# Altium PCB CPU.PcbDoc (part 2 of 2)
Units mm, origin at the board's own origin, x right, y up, seen from the top; angles counter-clockwise.
Board outline 164.68 x 100.38 mm, 2 copper layers (Top Layer, Bottom Layer); 83 components, 106 nets, 453 pads, 320 vias.
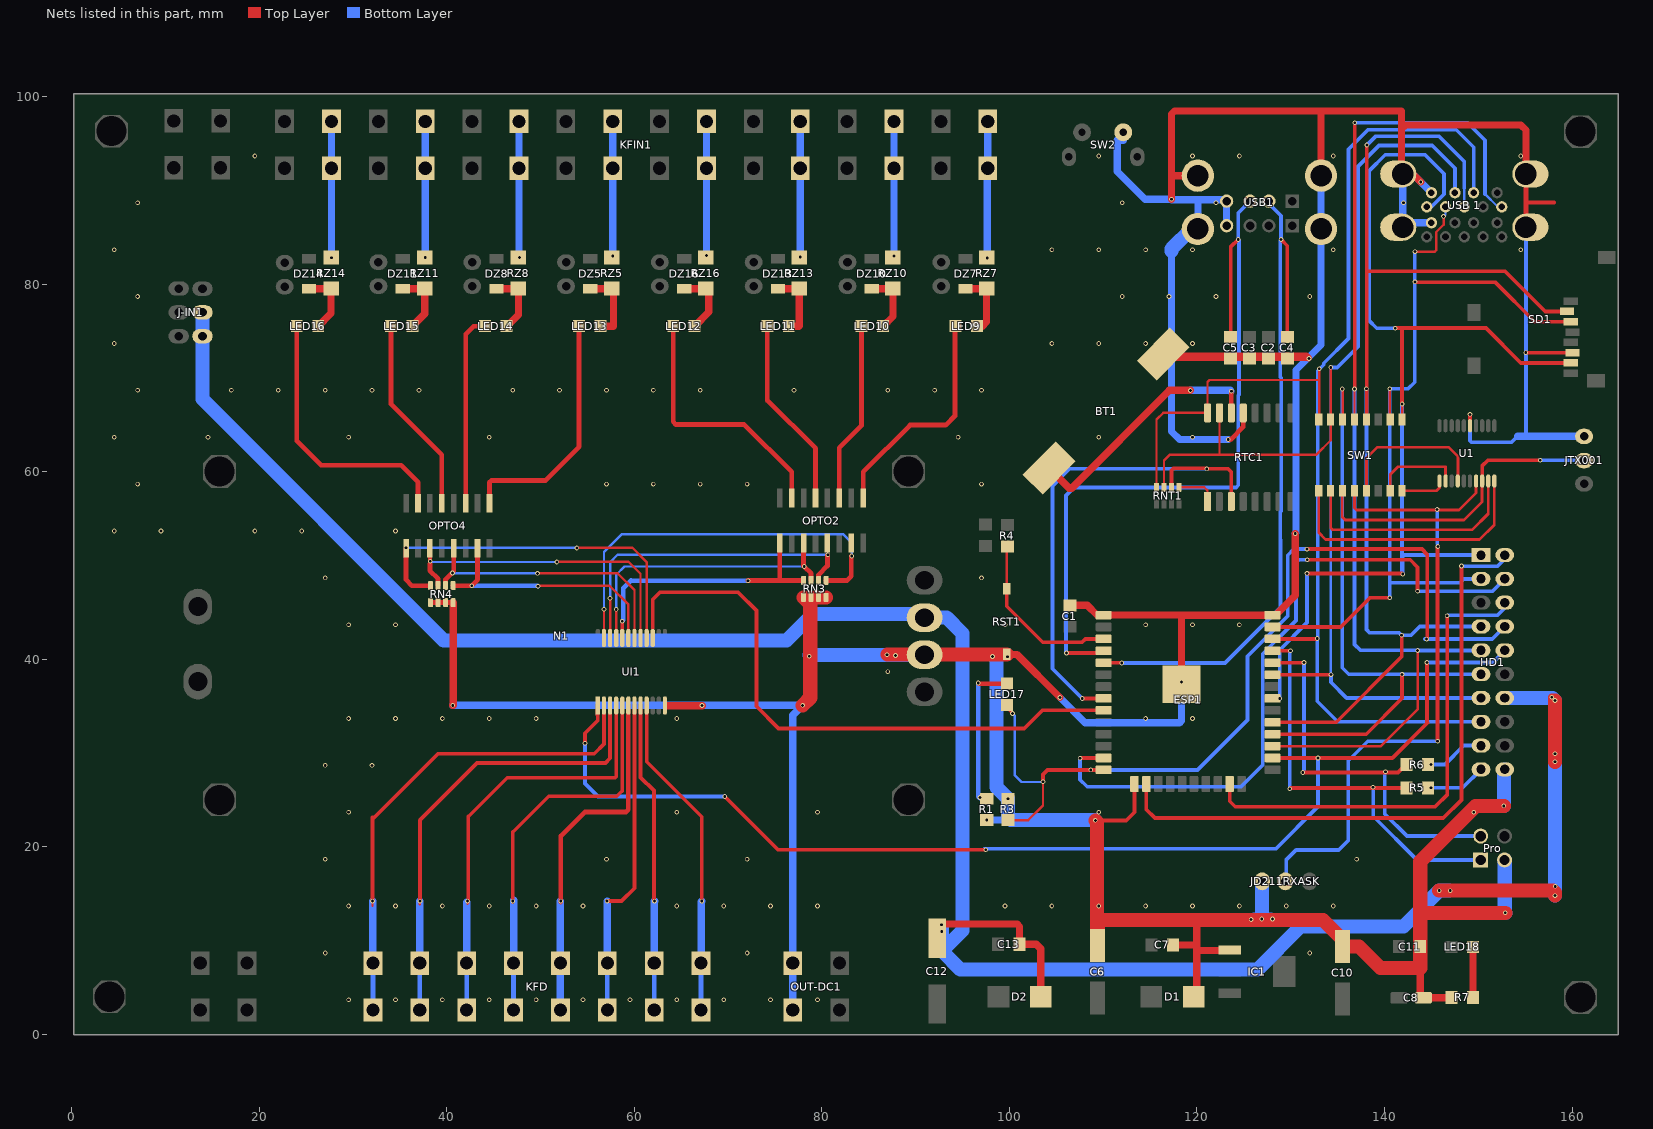
[diagram p2: the nets of this part, all layers, seen from the top]

## Via types
v1: diameter 0.5, hole 0.3, Top Layer to Bottom Layer, 318 vias
v2: diameter 1.27, hole 1.27, Top Layer to Bottom Layer, 2 vias

## Nets (pads, with @x,y where several pads share a name; then routed paths per layer and width w, separated by ;. In a path a pad name is that pad's centre, name@x,y a point inside that pad or via, vN(x,y) a via of type N, cw(c..) or ccw(c..) an arc to the next point about the centre after c; other vN are vias at no path point) (continued)
CS: "USB 1.7" ESP1.29 HD1.4 SD1.2 SW1.4 | length 129.9
  Top Layer w0.254: SW1.4@138.068,65.583 v1(138.068,68.834)
  Top Layer w0.4: ESP1.29@128.06,33.274 134.842,33.274 141.827,40.259 v1(141.827,42.545) ; SW1.4@138.068,65.583 138.119,65.634 138.119,81.432 ; v1(138.119,94.844) 138.119,81.432 ; SD1.2@159.46,77.091 157.141,77.091 152.851,81.382 138.169,81.382 138.119,81.432
  Bottom Layer w0.254: 148.507,88.245 148.507,90.236
  Bottom Layer w0.4: v1(138.068,68.834) 138.068,43.155 138.398,42.824 141.548,42.824 v1(141.827,42.545) 142.818,42.545 143.757,43.485 HD1.4@150.285,43.485 ; v1(138.119,94.844) 139.033,95.758 145.84,95.758 148.507,93.091 148.507,90.236
CS-SW: SW1.13 U1.4 | length 16.8
  Top Layer w0.3: SW1.13@138.068,57.963 138.068,61.443 139.236,62.611 146.831,62.611 147.821,61.62 147.821,59.01 U1.4@147.812,59.001
DS: ESP1.16 HD1.11 | length 67.8
  Top Layer w0.4: ESP1.16@114.598,26.694 114.598,23.978 115.513,23.063 146.272,23.063 148.202,24.994 v1(148.202,49.936)
  Bottom Layer w0.4: v1(148.202,49.936) 148.238,49.901 152.028,49.901 152.825,50.698 HD1.11@152.825,51.105
I2C_SCL: "USB 1.2" ESP1.36 HD1.8 RNT1.4 RTC1.16 SW1.8 | length 136.8
  Top Layer w0.254: RNT1.4@115.684,58.329 115.684,65.551 116.402,66.269 RTC1.16@121.126,66.269 121.126,69.571 121.329,69.774 132.861,69.774 ; v1@132.785,42.164 v1(132.835,42.215) ; SW1.8@132.988,65.583 132.886,65.684 133.039,65.837 v1(133.039,70.968)
  Top Layer w0.4: ESP1.36@128.06,42.164 v1@132.785,42.164
  Bottom Layer w0.4: v1(132.835,42.215) 132.835,35.509 135.02,33.325 HD1.8@150.285,33.325 ; v1@132.886,42.215 132.886,70.762 133.522,71.398 133.522,71.553 136.158,74.189 136.158,94.382 138.246,96.469 147.644,96.469 149.507,94.606 149.507,89.745
I2C_SCL-SW: SW1.9 U1.10 | length 28.8
  Top Layer w0.3: SW1.9@132.988,57.963 132.988,53.492 133.724,52.756 150.133,52.756 151.712,54.335 U1.10@151.712,59.001
I2C_SDA: "USB 1.3" ESP1.33 HD1.7 RNT1.3 RTC1.15 SW1.7 | length 128.7
  Top Layer w0.254: RNT1.3@116.484,58.329 116.484,61.195 117.113,61.824 132.734,61.824 134.258,63.348 SW1.7@134.258,65.583 v1(134.258,71.12) ; 122.396,61.849 RTC1.15@122.396,66.269
  Top Layer w0.4: ESP1.33@128.06,38.354 v1(134.283,38.354)
  Bottom Layer w0.254: 134.258,37.567 v1@134.258,38.354 ; 134.258,38.608 v1(134.258,71.12)
  Bottom Layer w0.4: v1(134.258,71.12) 134.969,71.12 137.179,73.33 137.179,92.532 139.421,94.775 145.096,94.775 147.507,92.364 147.507,89.745 ; v1(134.283,38.354) 134.283,37.592 134.258,37.567 135.96,35.865 HD1.7@150.285,35.865
I2C_SDA-SW: SW1.10 U1.9 | length 25
  Top Layer w0.3: SW1.10@134.258,57.963 134.258,54.026 134.486,53.797 149.345,53.797 151.062,55.513 U1.9@151.062,59.001
I9: DZ7.2 LED9.1 RZ7.2 | length 7
  Top Layer w0.762: DZ7.2@95.32,79.502 97.53,79.502 RZ7.2@97.555,79.527 97.555,75.946 97.123,75.514 LED9.1@96.539,75.514
I10: DZ10.2 LED10.1 RZ10.2 | length 6.7
  Top Layer w0.762: DZ10.2@85.316,79.502 87.544,79.502 RZ10.2@87.569,79.527 87.569,76.552 86.531,75.514 LED10.1@86.502,75.514
I11: DZ13.2 LED11.1 RZ13.2 | length 7.4
  Top Layer w0.762: DZ13.2@75.312,79.502 77.558,79.502 RZ13.2@77.583,79.527 77.583,75.532 77.565,75.514 LED11.1@76.466,75.514
I12: DZ16.2 LED12.1 RZ16.2 | length 7.1
  Top Layer w0.762: DZ16.2@65.308,79.502 67.623,79.502 67.938,79.186 67.938,77.024 LED12.1@66.429,75.514
I13: DZ5.2 LED13.1 RZ5.2 | length 7.8
  Top Layer w0.762: DZ5.2@55.304,79.502 57.586,79.502 RZ5.2@57.611,79.527 57.778,79.36 57.778,75.514 LED13.1@56.392,75.514
I14: DZ8.2 LED14.1 RZ8.2 | length 6.9
  Top Layer w0.762: DZ8.2@45.3,79.502 47.6,79.502 RZ8.2@47.626,79.527 47.626,76.741 46.399,75.514 LED14.1@46.356,75.514
I15: DZ11.2 LED15.1 RZ11.2 | length 6.9
  Top Layer w0.762: DZ11.2@35.296,79.502 37.615,79.502 RZ11.2@37.64,79.527 37.64,76.835 LED15.1@36.319,75.514
I16: DZ14.2 LED16.1 RZ14.2 | length 7
  Top Layer w0.762: DZ14.2@25.292,79.502 27.629,79.502 RZ14.2@27.654,79.527 27.654,76.886 LED16.1@26.282,75.514
IN: ESP1.26 HD1.15 UI1.1 | length 137.1
  Top Layer w0.4: v1(54.73,31.039) 54.73,32.11 56.104,33.484 56.104,33.998 56.076,34.027 UI1.1@56.076,35.059 ; v1(69.64,25.349) 75.304,19.685 v1(97.479,19.685) ; ESP1.26@128.06,29.464 v1(132.912,29.464) 140.836,29.464 144.596,33.223 144.519,33.299 v1(144.519,39.649)
  Bottom Layer w0.254: 145.154,39.649 151.555,39.649
  Bottom Layer w0.4: v1(54.73,31.039) 54.73,26.746 56.127,25.349 v1(69.64,25.349) ; v1@97.301,19.787 128.416,19.787 132.912,24.282 v1(132.912,29.464) ; v1(144.519,39.649) 151.504,39.649 151.53,39.624 151.555,39.649 152.825,40.919 HD1.15@152.825,40.945
IN1: KFD.8 UI1.9 | length 35
  Top Layer w0.4: UI1.9@61.308,35.059 61.308,29.058 67.176,23.19 ; v1@67.176,14.122 v1(67.176,14.199) 67.176,23.165
  Bottom Layer w0.508: KFD.8@67.115,2.586 KFD.8@67.115,7.586
  Bottom Layer w0.8: KFD.8@67.115,7.586 67.115,14.137 v1(67.176,14.199)
IN2: KFD.7 UI1.8 | length 33.2
  Top Layer w0.4: UI1.8@60.658,35.059 60.658,27.366 62.096,25.984 v1@62.096,14.199
  Bottom Layer w0.508: v1@62.046,14.224 v1@62.115,14.155 ; KFD.7@62.115,2.586 KFD.7@62.115,7.366
  Bottom Layer w0.8: KFD.7@62.115,7.366 KFD.7@62.115,7.586 62.115,14.155 62.115,14.166 v1(62.147,14.199)
IN3: KFD.6 UI1.7 | length 34.6
  Top Layer w0.4: v1(57.093,14.199) 58.642,14.199 60.008,15.565 ; 60.008,15.57 UI1.7@60.008,35.059
  Bottom Layer w0.508: KFD.6@57.115,2.586 KFD.6@57.115,7.264
  Bottom Layer w0.8: v1(57.093,14.199) 57.115,14.177 KFD.6@57.115,7.586 KFD.6@57.115,7.264
IN4: KFD.5 UI1.6 | length 38.2
  Top Layer w0.508: v1@52.14,14.097 v1(52.14,14.199) 52.14,21.158 ; 52.14,21.133 54.705,23.698 59.099,23.698 59.358,23.957 UI1.6@59.358,35.059
  Bottom Layer w0.8: KFD.5@52.115,2.586 KFD.5@52.115,7.586 v1@52.115,14.199
IN5: KFD.4 UI1.5 | length 48.4
  Top Layer w0.4: v1@47.034,14.097 v1(47.034,14.199) 47.034,21.565 ; 47.034,21.539 50.87,25.375 58.117,25.375 58.65,25.908 ; 58.708,25.908 UI1.5@58.708,35.059
  Bottom Layer w0.508: v1(47.034,14.199) 47.115,14.118 KFD.4@47.115,7.586 KFD.4@47.115,2.586
  Bottom Layer w0.8: KFD.4@47.115,7.586 47.115,14.118 v1@47.115,14.304
IN6: KFD.3 UI1.4 | length 46.1
  Top Layer w0.254: 42.208,13.919 42.284,13.995 v1@42.284,14.199
  Top Layer w0.4: v1@42.284,14.199 42.284,23.216 ; 42.284,23.19 46.45,27.356 57.957,27.356 58.058,27.457 UI1.4@58.058,35.059
  Bottom Layer w0.508: KFD.3@42.115,2.586 KFD.3@42.115,7.586 ; v1@42.115,14.105 v1(42.208,14.199)
  Bottom Layer w0.8: KFD.3@42.115,7.586 v1@42.115,14.105
IN7: KFD.2 UI1.3 | length 49.2
  Top Layer w0.254: 37.128,13.843 v1(37.128,14.199)
  Top Layer w0.4: v1(37.128,14.199) 37.128,22.809 ; 37.128,22.835 43.224,28.931 56.915,28.931 57.412,29.428 57.412,33.147 57.408,33.151 UI1.3@57.408,35.059
  Bottom Layer w0.508: KFD.2@37.115,2.586 KFD.2@37.115,7.586
  Bottom Layer w0.8: KFD.2@37.115,7.586 37.115,14.185 v1(37.128,14.199)
IN8: KFD.1 UI1.2 | length 53.1
  Top Layer w0.254: 32.074,13.716 v1(32.074,14.199)
  Top Layer w0.4: v1(32.074,14.199) 32.074,23.114 ; 32.074,22.936 39.059,29.921 55.721,29.921 56.758,30.959 UI1.2@56.758,35.059
  Bottom Layer w0.508: KFD.1@32.115,2.586 KFD.1@32.115,7.586
  Bottom Layer w0.8: v1(32.074,14.199) 32.115,14.158 KFD.1@32.115,7.586
IN9: OPTO2.15 RN3.5 UI1.23 | length 43.2
  Top Layer w0.254: UI1.23@56.758,42.259 v1(56.758,45.318)
  Top Layer w0.508: RN3.5@80.441,48.398 82.681,48.398 83.128,48.844 v1@83.128,51.003
  Bottom Layer w0.254: v1(56.758,45.318) 56.758,51.431 58.667,53.34 82.239,53.34 83.178,52.4 v1(83.178,51.003)
IN10: OPTO2.13 RN3.6 UI1.22 | length 34.8
  Top Layer w0.254: UI1.22@57.408,42.259 v1(57.408,46.496)
  Top Layer w0.508: RN3.6@79.641,48.398 79.641,49.005 80.588,49.951 v1@80.588,51.13
  Bottom Layer w0.254: v1(57.408,46.496) 57.408,50.328 58.21,51.13 v1(80.638,51.13)
IN11: OPTO2.11 RN3.7 UI1.21 | length 31.4
  Top Layer w0.254: UI1.21@58.058,42.259 v1(58.058,45.314)
  Top Layer w0.508: v1@78.048,49.936 OPTO2.11@78.048,52.388 ; v1@78.111,49.873 78.841,49.143 RN3.7@78.841,48.398
  Bottom Layer w0.254: v1(58.058,45.314) 58.058,48.997 58.947,49.886 v1(78.124,49.886)
IN12: OPTO2.9 RN3.8 UI1.20 | length 29
  Top Layer w0.4: UI1.20@58.708,42.259 v1(58.708,44.053)
  Top Layer w0.508: v1@72.129,48.398 RN3.8@78.041,48.398 ; OPTO2.9@75.508,52.388 75.508,48.412 75.522,48.398
  Bottom Layer w0.508: v1(58.708,44.053) 58.816,44.161 58.816,47.586 59.642,48.412 59.693,48.362 v1(72.129,48.362)
IN13: OPTO4.15 RN4.5 UI1.19 | length 27.4
  Top Layer w0.254: v1@49.727,47.839 57.336,47.839 59.358,45.816 UI1.19@59.358,42.259
  Top Layer w0.508: RN4.5@40.665,47.839 v1(42.651,47.839) 43.275,48.463 OPTO4.15@43.275,51.829
  Bottom Layer w0.508: v1(42.651,47.839) 49.665,47.839 v1(49.727,47.777)
IN14: OPTO4.13 RN4.6 UI1.18 | length 29.5
  Top Layer w0.254: v1(49.676,49.149) 58.185,49.149 58.21,49.174 60.008,47.376 UI1.18@60.008,42.259
  Top Layer w0.508: RN4.6@39.865,47.839 39.865,48.508 v1@40.519,49.162 ; v1@40.735,49.378 OPTO4.13@40.735,51.829
  Bottom Layer w0.254: v1(40.608,49.2) 40.583,49.2 40.532,49.149 v1(49.676,49.149)
IN15: OPTO4.11 RN4.7 UI1.17 | length 33.8
  Top Layer w0.254: v1(51.733,50.368) 51.759,50.394 59.379,50.394 60.658,49.114 UI1.17@60.658,42.259
  Top Layer w0.4: v1@38.195,50.47 OPTO4.11@38.195,51.829
  Top Layer w0.508: 38.195,50.14 38.195,49.454 39.065,48.584 RN4.7@39.065,47.839
  Bottom Layer w0.254: v1@38.271,50.368 v1(51.733,50.368)
  other v1: 38.22,50.444
IN16: OPTO4.9 RN4.8 UI1.16 | length 40.6
  Top Layer w0.254: v1(53.867,51.867) 59.759,51.867 59.784,51.892 61.308,50.368 UI1.16@61.308,42.259
  Top Layer w0.508: OPTO4.9@35.655,51.829 35.655,48.463 36.279,47.839 RN4.8@38.265,47.839
  Bottom Layer w0.254: v1(35.655,51.892) 35.68,51.867 v1(53.867,51.867)
INPUT_EN: ESP1.9 UI1.15 | length 65.3
  Top Layer w0.254: UI1.15@61.958,42.259 61.958,43.323
  Top Layer w0.4: 61.958,43.323 61.958,46.369 62.731,47.142 71.063,47.142 73.018,45.187 73.018,34.976 75.381,32.614 101.568,32.614 103.498,34.544 ESP1.9@110.043,34.544
LED: ESP1.14 HD1.14 LED17.1 R3.1 | length 98.8
  Top Layer w0.254: LED17.1@99.739,35.103 99.739,34.798 v1(100.323,34.214) ; R3.1@99.841,22.835 102,22.835 103.575,24.409 v1(103.575,26.924) ; v1@108.68,28.169 110.018,28.169 ESP1.14@110.043,28.194
  Top Layer w0.4: v1(103.575,26.924) 103.575,27.711 104.057,28.194 v1(108.68,28.194) ESP1.14@110.043,28.194 ; v1(131.743,51.74) 143.986,51.74 144.545,51.181 v1@144.545,42.164
  Bottom Layer w0.254: v1(100.323,34.214) 100.552,33.985 100.552,27.635 101.289,26.899 103.549,26.899 v1(103.575,26.924)
  Bottom Layer w0.4: v1(108.68,28.194) 120.059,28.194 125.393,33.528 125.393,40.31 129.686,44.602 129.686,51.079 130.346,51.74 v1(131.743,51.74) ; v1(144.494,42.139) 144.311,42.139 144.301,42.149 151.489,42.149 HD1.14@152.825,43.485
MISO: "USB 1.5" ESP1.31 HD1.1 SD1.7 SW1.1 | length 116.6
  Top Layer w0.254: SW1.1@141.878,65.583 v1(141.878,67.208) ; v1@141.903,49.124 v1(141.954,49.073)
  Top Layer w0.4: v1(131.743,49.149) 141.827,49.149 141.852,49.174 v1@141.903,49.124 ; v1(141.141,75.286) 141.167,75.311 141.725,75.311 ; v1(141.878,67.208) 141.878,75.159 141.725,75.311 ; SD1.7@159.86,71.591 154.538,71.591 150.819,75.311 141.725,75.311
  Bottom Layer w0.254: 144.507,88.245 144.906,88.245
  Bottom Layer w0.4: v1(128.822,35.814) 128.822,40.996 131.743,43.917 v1(131.743,49.149) ; v1(141.141,75.286) 139.175,75.286 138.337,76.124 138.337,92.065 140.074,93.802 144.316,93.802 146.348,91.77 146.348,89.596 144.998,88.245 144.906,88.245 ; v1@141.878,49.149 v1(141.878,67.208) ; v1(141.954,49.073) 141.954,51.156 142.005,51.105 HD1.1@150.285,51.105
MISO-SW: SW1.16 U1.1 | length 4.8
  Top Layer w0.3: SW1.16@141.878,57.963 145.535,57.963 145.862,58.289 U1.1@145.862,59.001
MOSI: "USB 1.6" ESP1.37 HD1.2 SD1.3 SW1.2 | length 91.9
  Top Layer w0.254: v1(140.557,68.834) 140.557,65.634 SW1.2@140.608,65.583 ; v1(143.249,83.464) 145.358,83.464 145.526,83.633 145.526,85.563 146.297,86.335 v1(146.297,87.224)
  Top Layer w0.4: ESP1.37@128.06,43.434 135.325,43.434 138.449,46.558 v1(140.557,46.558) ; v1(143.249,80.239) 143.3,80.188 151.835,80.188 156.031,75.991 SD1.3@159.86,75.991
  Bottom Layer w0.254: v1(146.297,87.224) 146.507,87.433 146.507,88.245
  Bottom Layer w0.4: v1(140.557,46.558) 140.557,48.158 ; v1(143.249,83.464) 143.224,83.439 143.224,69.545 142.513,68.834 v1(140.557,68.834) 140.557,48.158 ; HD1.2@150.285,48.565 148.431,48.565 148.025,48.158 140.557,48.158
MOSI-SW: SW1.15 U1.2 | length 9.5
  Top Layer w0.3: SW1.15@140.608,57.963 140.608,59.715 141.421,60.528 146.512,60.528 U1.2@146.512,59.001
NetBT1_1: BT1.1 RTC1.14 | length 26.9
  Top Layer w0.508: RTC1.14@123.666,66.269 v1(123.666,68.58)
  Top Layer w0.8: BT1.1@104.234,60.385 106.377,58.242 106.648,58.242 117.062,68.656 v1(119.297,68.656)
  Bottom Layer w0.8: v1(119.297,68.656) 123.545,68.656 v1@123.622,68.58
NetHD1_9: HD1.9 R6.2 | length 6.2
  Bottom Layer w0.254: v1(144.951,28.778) v1@144.977,28.804
  Bottom Layer w0.4: v1(144.951,28.778) 146.45,28.778 148.456,30.785 HD1.9@150.285,30.785
NetHD1_10: HD1.10 R5.2 | length 6.1
  Bottom Layer w0.4: v1(144.951,26.289) 148.329,26.289 HD1.10@150.285,28.245
NetLED17_2: LED17.2 R1.1 | length 15.5
  Top Layer w0.508: v1(96.666,37.465) 96.742,37.389 LED17.2@99.739,37.389
  Bottom Layer w0.508: v1(96.666,37.465) 96.666,25.349 96.844,25.171 v1(96.844,25.248)
NetLED18_2: LED18.2 R7.1 | length 5.4
  Top Layer w0.762: R7.1@149.422,3.937 149.422,9.296 LED18.2@149.447,9.322
OV1-: C12.2 C13.1 D2.1 HD1.17 J-IN1.1 J-IN1.2 N1.OV1- | length 264.4
  Top Layer w0.762: C12.2@92.297,10.231 C12.2@92.475,10.409 ; C12.2@93.034,11.76 100.831,11.76 101.085,11.506 C13.1@101.085,9.601 102.863,9.601 103.335,9.129 D2.1@103.335,4.013 ; v1(157.829,35.941) v1(158.185,35.585)
  Top Layer w1.5: v1(145.84,15.316) 157.981,15.316 158.185,15.113 v1(158.185,14.783) ; v1(158.185,29.058) v1(158.185,35.585)
  Bottom Layer w0.762: J-IN1.1@13.938,74.447 J-IN1.2@13.938,76.987 ; HD1.17@152.825,35.865 152.952,35.992 152.978,35.966 157.804,35.966 v1(157.829,35.941)
  Bottom Layer w1.5: J-IN1.2@13.938,76.987 J-IN1.1@13.938,74.447 13.938,67.742 39.668,42.012 76.219,42.012 79.038,44.831 N1.OV1-@90.949,44.831 ; N1.OV1-@90.949,44.429 93.309,44.429 94.989,42.748 94.989,11.049 92.805,8.865 ; 92.805,11.379 92.805,8.865 ; v1@146.856,15.316 v1(145.84,15.316) 142.005,11.481 131.032,11.481 126.435,6.883 94.786,6.883 92.805,8.865 ; HD1.17@152.825,35.865 157.905,35.865 v1(158.185,35.585) ; v1(158.185,14.783) v1(158.185,29.921)
  other v1: 92.78,10.973 92.754,11.684 147.009,15.316 158.21,15.773
OV2-: "USB 1.4" "USB 1.13" "USB 1.Shell" BT1.2 C1.1 C2.2 C3.1 C4.2 C5.1 C6.2 C7.2 C8.2 C10.2 C11.1 D1.1 ESP1.1 ESP1.15 ESP1.38 ESP1.PAD HD1.20 IC1.1 JD211RXASK.3 JTX001.1 N1.OV2- OUT-DC1.1 Pro.3 R1.2 R3.2 R7.2 RN3.1 RN3.2 RN3.3 RN3.4 RN4.1 RN4.2 RN4.3 RN4.4 RST1.2 RTC1.13 SD1.6 SW2.1 U1.15 UI1.12 USB1.A4 USB1.B4 USB1.Shell | length 624.9
  Top Layer w0.4: UI1.12@63.258,35.059 63.544,35.059 ; v1(109.163,22.809) 112.465,22.809 113.328,23.673 ESP1.15@113.328,26.694 ; U1.15@149.112,64.901 v1(149.112,66.111) ; v1(155.06,72.695) 155.064,72.691 SD1.6@160.06,72.691 ; 155.077,88.697 158.083,88.697
  Top Layer w0.508: RN4.1@38.265,46.039 RN4.2@39.065,46.039 RN4.3@39.865,46.039 RN4.4@40.665,46.039 ; v1(99.841,25.121) 99.841,25.171 R3.2@99.917,25.248 ; BT1.2@116.884,72.06 C2.2@127.628,72.06 C4.2@129.635,72.06 v1(131.941,72.06) ; v1(123.336,63.424) 123.59,63.424 124.936,64.77 RTC1.13@124.936,66.269 ; 155.077,86.065 155.077,88.697 155.077,91.745
  Top Layer w0.762: RST1.2@99.714,40.518 100.775,40.518 v1(105.378,35.916) ; C1.1@106.445,45.745 108.291,45.745 109.333,44.704 ESP1.1@110.043,44.704 ; ESP1.1@110.018,44.729 128.035,44.729 ESP1.38@128.06,44.704 ESP1.38@128.39,44.704 ; BT1.2@117.291,73.442 BT1.2@116.396,72.547 116.396,72.33 131.671,72.33 v1@131.883,72.118 ; v1(117.291,89.052) 117.291,91.44 ; C7.2@117.443,9.525 119.983,9.525 ; ESP1.PAD@118.343,37.567 118.343,44.679 128.365,44.679 ESP1.38@128.39,44.704 ; D1.1@119.642,4.013 119.983,4.354 119.983,8.941 ; 119.983,12.344 119.983,9.525 ; USB1.Shell@120.093,91.565 117.416,91.565 117.291,91.44 ; IC1.1@123.509,8.98 123.47,8.941 119.983,8.941 ; v1(130.473,53.391) 130.473,46.787 ESP1.38@128.39,44.704 ; USB1.Shell@133.233,91.565 133.233,98.45 ; 143.808,7.061 143.808,4.221 C8.2@144.143,3.886 R7.2@147.085,3.886 ; v1(143.865,90.887) 141.827,92.925 141.827,96.571 ; 155.077,91.745 155.077,96.427 154.552,96.952 142.208,96.952 141.827,96.571 ; 117.291,91.44 117.291,98.146 117.595,98.45 141.827,98.45 141.827,96.571 ; 119.983,8.941 119.983,9.525
  Top Layer w0.8: v1(40.633,35.077) 40.665,35.109 RN4.4@40.665,46.039 ; 63.544,35.059 v1(67.22,35.059)
  Top Layer w1.5: v1(77.946,35.077) 78.759,35.89 78.759,45.881 RN3.1@78.041,46.598 RN3.2@78.841,46.598 RN3.3@79.641,46.598 RN3.4@80.441,46.598 ; v1@86.987,40.518 RST1.2@99.714,40.518 ; v1(109.163,22.809) 109.34,22.631 C6.2@109.34,10.465 ; C6.2@109.417,9.455 109.417,12.192 133.445,12.192 135.528,10.109 C10.2@135.528,9.353 137.3,9.353 139.592,7.061 143.808,7.061 C11.1@143.808,9.347 143.808,18.44 149.726,24.359 v1(152.724,24.359) ; 143.808,12.751 144.011,12.954 v1(152.876,12.954)
  Bottom Layer w0.254: 154.781,85.769 155.077,86.065
  Bottom Layer w0.4: v1(149.112,66.111) 149.112,63.302 149.269,63.144 153.545,63.144 154.201,63.801 ; 155.077,63.805 155.077,86.065
  Bottom Layer w0.762: OUT-DC1.1@76.895,2.586 76.895,34.026 v1(77.946,35.077) ; v1(97.58,22.86) 100.146,22.86 ; 98.444,40.183 99.714,40.183 v1(99.79,40.259) ; v1(105.378,35.916) 108.07,33.223 118.154,33.223 118.357,33.426 v1(118.357,35.916) v1(118.357,37.567) ; SW2.1@112.134,96.19 112.134,95.339 111.502,95.339 111.502,91.996 114.446,89.052 v1(117.291,89.052) 117.291,89.002 120.093,89.002 ; 117.291,83.515 117.291,64.287 118.154,63.424 v1(123.336,63.424) ; USB1.Shell@120.093,85.885 120.093,89.002 ; USB1.A4@123.163,86.235 USB1.B4@123.163,88.855 123.017,89.002 120.093,89.002 ; v1(130.473,53.391) 130.556,53.473 130.556,70.832 133.233,73.51 USB1.Shell@133.233,85.885 USB1.Shell@133.233,91.565 ; 145.007,86.545 142.417,86.545 141.937,86.065 141.937,91.745 143.007,91.745 v1(143.865,90.887) 145.007,89.745 ; 155.077,91.745 155.34,92.008
  Bottom Layer w0.8: v1(40.633,35.077) v1(77.946,35.077) ; 154.201,63.801 154.248,63.754 JTX001.1@161.283,63.754
  Bottom Layer w1.5: v1@78.657,40.469 N1.OV2-@91.002,40.469 ; 98.444,40.183 98.622,40.005 98.622,26.34 v1(99.841,25.121) 99.841,23.165 100.146,22.86 109.112,22.86 v1(109.163,22.809) ; 117.291,83.515 117.291,83.769 119.406,85.885 USB1.Shell@120.093,85.885 ; 126.104,12.243 v1@127.832,12.243 ; 126.943,13.081 JD211RXASK.3@126.943,16.307 ; v1(152.724,24.359) 152.724,28.143 HD1.20@152.825,28.245 ; Pro.3@152.825,18.593 152.825,12.954 v1(152.876,12.954)
  other v1: 29.523,3.674 34.523,3.674 39.523,3.674 44.523,3.674 49.523,3.674 54.523,3.674 59.523,3.674 64.523,3.674 69.523,3.674 74.523,3.674 79.523,3.674 27.023,8.674 72.023,8.674 132.023,8.674 125.774,12.243 126.917,12.294 128.06,12.294 29.523,13.674 34.523,13.674 39.523,13.674 44.523,13.674 49.523,13.674 54.523,13.674 64.523,13.674 69.523,13.674 74.523,13.674 79.523,13.674 99.523,13.674 104.523,13.674 109.523,13.674 114.523,13.674 119.523,13.674 124.523,13.674 129.523,13.674 134.523,13.674 27.023,18.674 57.023,18.674 72.023,18.674 137.023,18.674 29.523,23.674 64.523,23.674 79.523,23.674 109.523,23.674 149.523,23.674 27.023,28.674 32.023,28.674 29.523,33.674 34.523,33.674 39.523,33.674 44.523,33.674 49.523,33.674 64.523,33.674 114.523,33.674 119.523,33.674 87.023,38.674 98.19,40.284 78.657,40.31 87.852,40.386 86.938,40.469 29.523,43.674 34.523,43.674 99.523,43.674 114.523,43.674 119.523,43.674 124.523,43.674 27.023,48.674 97.023,48.674 4.523,53.674 9.523,53.674 19.523,53.674 24.523,53.674 34.523,53.674 7.023,58.674 57.023,58.674 62.023,58.674 67.023,58.674 72.023,58.674 97.023,58.674 4.523,63.674 14.523,63.674 29.523,63.674 44.523,63.674 94.523,63.674 109.523,63.674 119.523,63.674 7.023,68.674 17.023,68.674 22.023,68.674 27.023,68.674 32.023,68.674 37.023,68.674 47.023,68.674 52.023,68.674 57.023,68.674 62.023,68.674 67.023,68.674 77.023,68.674 87.023,68.674 92.023,68.674 97.023,68.674 4.523,73.674 104.523,73.674 109.523,73.674 114.523,73.674 119.523,73.674 7.023,78.674 112.023,78.674 117.023,78.674 122.023,78.674 132.023,78.674 4.523,83.674 104.523,83.674 109.523,83.674 114.523,83.674 119.523,83.674 134.523,83.674 154.523,83.674 7.023,88.674 112.023,88.674 122.023,88.674 142.023,88.674 19.523,93.674 109.523,93.674 119.523,93.674 124.523,93.674 134.523,93.674 154.523,93.674
RF_IN: "USB 1.9" ESP1.27 HD1.5 SW1.5 | length 125.2
  Top Layer w0.254: ESP1.27@128.06,30.734 139.617,30.734 143.529,34.646 v1(143.529,40.919) ; SW1.5@136.798,65.583 v1(136.798,68.809)
  Top Layer w0.4: v1(136.798,68.809) 136.823,68.834 136.823,96.869
  Bottom Layer w0.254: v1@143.529,40.945 HD1.5@150.285,40.945 ; 150.717,89.611 152.083,88.245 152.507,88.245
  Bottom Layer w0.4: v1(136.798,68.809) 136.798,41.58 137.433,40.945 v1@143.529,40.945 ; v1(136.823,97.206) 148.863,97.206 150.717,95.352 150.717,89.611 ; v1(143.529,40.919) 150.26,40.919 HD1.5@150.285,40.945
RF_IN-SW: JD211RXASK.2 SW1.12 U1.7 | length 70
  Top Layer w0.3: SW1.12@136.798,57.963 136.798,56.109 137.001,55.905 147.933,55.905 149.762,57.734 U1.7@149.762,59.001
  Top Layer w0.4: v1(145.662,31.242) 145.662,51.994 v1(145.688,52.019)
  Bottom Layer w0.4: JD211RXASK.2@129.432,16.307 129.508,16.383 129.508,18.593 130.575,19.66 135.121,19.66 136.137,20.676 136.137,29.159 138.22,31.242 v1(145.662,31.242) ; 145.612,52.324 v1(145.612,55.956)
RF_OUT: ESP1.28 HD1.6 SW1.6 | length 66
  Top Layer w0.254: v1(135.502,68.809) 135.528,68.783 SW1.6@135.528,65.583
  Top Layer w0.4: ESP1.28@128.06,32.004 138.042,32.004 141.878,35.839 v1(141.878,38.379)
  Bottom Layer w0.4: v1(135.502,68.809) 135.502,39.091 136.188,38.405 HD1.6@150.285,38.405
RF_OUT-SW: JTX001.2 SW1.11 U1.8 | length 33.4
  Top Layer w0.3: SW1.11@135.528,57.963 135.502,57.937 135.502,55.143 135.807,54.839 148.481,54.839 150.412,56.769 U1.8@150.412,59.001
  Top Layer w0.4: U1.8@150.412,59.001 150.412,60.604 151.022,61.214 v1@156.381,61.214
  Bottom Layer w0.4: v1(156.61,61.214) 161.156,61.214 161.207,61.163 JTX001.2@161.283,61.239
RST: ESP1.3 R4.1 RST1.1 | length 18.5
  Top Layer w0.254: RST1.1@99.714,47.518 99.714,51.943 R4.1@99.79,52.019
  Top Layer w0.4: RST1.1@99.714,47.518 99.714,45.644 103.549,41.808 107.74,41.808 108.096,42.164 ESP1.3@110.043,42.164
RTC_32K: RNT1.1 RTC1.1 | length 4.4
  Top Layer w0.254: RNT1.1@118.084,58.329 118.099,58.344 120.77,58.344 121.126,57.988 RTC1.1@121.126,56.819
RTC_INT: ESP1.8 RNT1.2 RTC1.3 | length 55
  Top Layer w0.254: RTC1.3@123.666,56.819 RTC1.3@123.666,57.099
  Top Layer w0.4: v1(107.766,35.814) ESP1.8@110.043,35.814 ; RNT1.2@117.284,58.329 117.284,60.147 117.487,60.35 v1@121.05,60.35 ; v1(121.05,60.3) 123.31,60.3 123.666,59.944 RTC1.3@123.666,57.099
  Bottom Layer w0.4: v1(107.766,35.814) 104.591,38.989 104.591,58.471 106.419,60.3 v1(121.05,60.3)
RXD_WIFI: ESP1.34 Pro.2 R6.1 | length 42.2
  Top Layer w0.254: v1@131.388,39.624 v1(131.413,39.649)
  Top Layer w0.4: ESP1.34@128.06,39.624 v1@131.388,39.624 ; v1(131.286,27.915) 141.446,27.915 R6.1@142.233,28.702
  Bottom Layer w0.4: v1(131.286,27.915) 131.413,28.042 v1(131.413,39.649) ; v1(140.1,27.991) 140.024,27.915 140.024,23.495 142.386,21.133 Pro.2@150.26,21.133
SHCP: ESP1.13 HD1.12 | length 74.4
  Top Layer w0.4: v1(107.537,29.439) 107.562,29.464 ESP1.13@110.043,29.464 ; v1(131.769,50.597) 142.741,50.597 143.529,49.809 v1(143.529,47.244)
  Bottom Layer w0.4: v1(107.537,29.439) 107.537,27.153 108.299,26.391 124.682,26.391 127.019,28.727 127.019,40.589 130.549,44.12 130.549,50.267 130.88,50.597 v1(131.769,50.597) ; v1(143.529,47.244) 151.504,47.244 HD1.12@152.825,48.565
SN9: LED9.2 OPTO2.1 | length 24.7
  Top Layer w0.508: OPTO2.1@84.398,57.188 84.398,59.969 89.401,64.973 93.186,64.973 94.202,65.989 ; 94.202,65.938 94.202,75.463 LED9.2@94.253,75.514
SN10: LED10.2 OPTO2.3 | length 19.4
  Top Layer w0.508: OPTO2.3@81.858,57.188 81.858,62.535 84.216,64.893 LED10.2@84.216,75.616
SN11: LED11.2 OPTO2.5 | length 20.5
  Top Layer w0.508: 74.18,67.564 LED11.2@74.18,75.514 ; 74.18,67.622 79.318,62.484 OPTO2.5@79.318,57.188
SN12: LED12.2 OPTO2.7 | length 28.1
  Top Layer w0.508: LED12.2@64.143,75.743 64.143,65.314 64.433,65.024 71.723,65.024 76.778,59.969 OPTO2.7@76.778,57.188
SN13: LED13.2 OPTO4.1 | length 26.2
  Top Layer w0.508: OPTO4.1@44.545,56.629 44.545,58.852 44.748,59.055 50.514,59.055 54.106,62.647 LED13.2@54.106,75.463
SN14: LED14.2 OPTO4.3 | length 20.5
  Top Layer w0.508: OPTO4.3@42.005,56.629 42.005,74.676 42.843,75.514 LED14.2@44.07,75.514
SN15: LED15.2 OPTO4.5 | length 21.2
  Top Layer w0.508: 34.033,67.208 LED15.2@34.033,75.514 ; 34.033,67.23 39.465,61.798 OPTO4.5@39.465,56.629
SN16: LED16.2 OPTO4.7 | length 29.1
  Top Layer w0.508: LED16.2@23.996,75.413 23.996,63.271 26.587,60.681 35.122,60.681 36.925,58.877 OPTO4.7@36.925,56.629
STCP: ESP1.23 HD1.13 | length 52
  Top Layer w0.4: ESP1.23@123.488,26.694 123.488,24.841 124.072,24.257 145.383,24.257 146.704,25.578 v1@146.704,44.628
  Bottom Layer w0.4: v1(146.678,44.628) 146.739,44.689 152.048,44.689 152.825,45.466 HD1.13@152.825,46.025
SVN: C4.1 ESP1.5 USB1.B2 | length 76.3
  Top Layer w0.4: ESP1.5@110.069,39.599 ESP1.5@110.043,39.624 v1@112.007,39.624 ; v1(128.975,84.76) 129.635,84.099 C4.1@129.635,74.346
  Bottom Layer w0.4: v1(111.982,39.599) 122.98,39.599 128.898,45.517 128.898,52.73 128.892,52.736 128.892,55.696 128.975,55.778 128.975,70.013 128.892,70.095 128.892,84.677 v1(128.975,84.76) 128.959,84.775 128.959,87.3 127.663,88.596 USB1.B2@127.663,88.855
  Bottom Layer w0.6: USB1.B2@127.663,88.855 USB1.B2@127.902,88.855
SVP: C5.2 ESP1.4 USB1.B3 | length 81.3
  Top Layer w0.4: v1(106.089,40.665) 109.815,40.665 ESP1.4@110.043,40.894 ; C5.2@123.59,74.371 123.59,83.947 v1(124.403,84.76)
  Bottom Layer w0.4: v1@106.038,40.665 106.038,57.455 106.902,58.318 124.174,58.318 124.403,58.547 124.403,68.153 124.476,68.226 124.476,84.687 v1(124.403,84.76) 124.403,87.594 USB1.B3@125.663,88.855
TXD_WIFI: ESP1.35 Pro.1 R5.1 | length 45.6
  Top Layer w0.4: ESP1.35@128.06,40.894 v1(129.965,40.894) ; v1(129.889,26.187) 129.965,26.264 R5.1@142.335,26.264
  Bottom Layer w0.4: v1(129.889,26.187) 129.889,40.818 v1(129.965,40.894) ; v1(138.779,26.34) 138.804,26.314 138.804,23.241 143.453,18.593 Pro.1@150.26,18.593
V9: KFIN1.1 RZ7.1 | length 14.8
  Bottom Layer w0.762: v1(97.631,82.779) KFIN1.1@97.631,92.481 ; v1(97.631,92.302) KFIN1.1@97.692,92.363 KFIN1.1@97.692,97.363
V10: KFIN1.3 RZ10.1 | length 14.4
  Bottom Layer w0.762: KFIN1.3@87.692,97.363 87.692,83.015 v1(87.7,83.007)
V11: KFIN1.5 RZ13.1 | length 14.7
  Bottom Layer w0.762: v1(77.692,82.88) KFIN1.5@77.692,92.558 ; KFIN1.5@77.692,92.363 KFIN1.5@77.692,97.363
V12: KFIN1.7 RZ16.1 | length 14.3
  Bottom Layer w0.762: v1(67.692,83.065) KFIN1.7@67.692,92.363 KFIN1.7@67.692,97.363
V13: KFIN1.9 RZ5.1 | length 14.4
  Bottom Layer w0.762: KFIN1.9@57.692,97.363 57.692,83.018 v1(57.702,83.007)
V14: KFIN1.11 RZ8.1 | length 14.6
  Bottom Layer w0.762: KFIN1.11@47.692,97.363 47.692,82.883 v1(47.745,82.829)
V15: KFIN1.13 RZ11.1 | length 14.5
  Bottom Layer w0.762: v1(37.692,82.834) KFIN1.13@37.692,92.363 KFIN1.13@37.692,97.363
V16: KFIN1.15 RZ14.1 | length 14.5
  Bottom Layer w0.762: v1(27.692,82.817) KFIN1.15@27.692,97.363
pads on no net: C8.0 ESP1.17 ESP1.18 ESP1.19 ESP1.20 ESP1.21 ESP1.22 ESP1.32 N1.0 RN3.0 RN4.0 RNT1.0 RTC1.4 RTC1.5 RTC1.6 RTC1.7 RTC1.8 RTC1.9 RTC1.10 RTC1.11 RTC1.12 SD1.1 SD1.8 SD1.9 SD1.10 SW2.G1 SW2.G2
copper on no net:
  other v2: 106.992,63.284 112.648,68.941

## Polygon pours and split planes (outlines as drawn)
OV2- on Bottom Layer "Bottom Layer-No Net" (solid, pour order 4): 0.229,100.305 164.909,100.305 164.909,0.051 164.858,0.102 0.229,0.102 0.229,100.305
OV2- on Top Layer "Bottom Layer-No Net" (solid, pour order 6): 0.229,100.305 164.909,100.305 164.909,-0.076 0.229,-0.076 0.229,100.305

## Keep-outs
Keep-Out Layer:
  lines w0.254: 0.229,-0.076 164.909,-0.076 164.909,100.305 0.229,100.305 0.229,-0.076 ; 9.874,40.961 15.85,40.961 15.85,34.052 11.354,29.556 11.354,28.057 16.866,33.569 16.866,41.875 9.874,41.875 9.874,40.961 ; 109.798,52.4 128.213,52.4 128.289,52.324 128.289,45.542 128.213,45.466 109.823,45.466 109.823,52.375 109.798,52.4

## Other copper
Top Layer:
  pour cut-out: 3.315,50.241 3.518,50.038 16.453,50.038 25.901,40.589 25.901,-0.102 2.152,-0.102 2.025,0.025 2.025,50.216 3.702,50.216
  pour cut-out: 108.909,45.187 108.858,45.237 108.858,52.984 128.873,52.984 128.975,53.086 129.185,52.875 129.185,45.089 108.854,45.089 108.807,45.136
Bottom Layer:
  pour cut-out: 3.315,50.267 3.518,50.063 16.453,50.063 25.901,40.615 25.901,-0.025 2.025,-0.025 2.025,50.241 3.702,50.241
  pour cut-out: 108.909,45.136 108.858,45.187 108.858,52.934 128.873,52.934 128.975,53.035 129.185,52.824 129.185,45.038 108.854,45.038 108.807,45.085

## Silkscreen, mask and mechanical layers (free items; w line width, h text height)
Top Overlay:
  lines w0.254: 147.771,-0.203 147.821,-0.152
  text "RX" at 139.693,20.803 h1
  text "5V" at 142.995,20.701 h1
  text "GND" at 142.995,18.11 h1
  text "TX" at 139.693,18.085 h1

## Text inside footprints (layer, text, board x,y; h text height)
C6: Top Overlay "+" at 107.512,4.623 h0.8 r270
C10: Top Overlay "+" at 133.623,4.521 h0.8 r270
C12: Top Overlay "+" at 90.392,4.318 h0.8 r270
N1: Top Overlay "5V" at 88.029,45.339 h0.8 r90; Top Overlay "12V" at 87.949,36.869 h0.8 r90; Top Overlay "AC" at 13.862,40.691 h0.8 r90
SW1: Top Overlay "ON" at 142.643,60.373 h0.8 r180